# Altium PCB DM1092.PcbDoc (part 3 of 5) (continued)
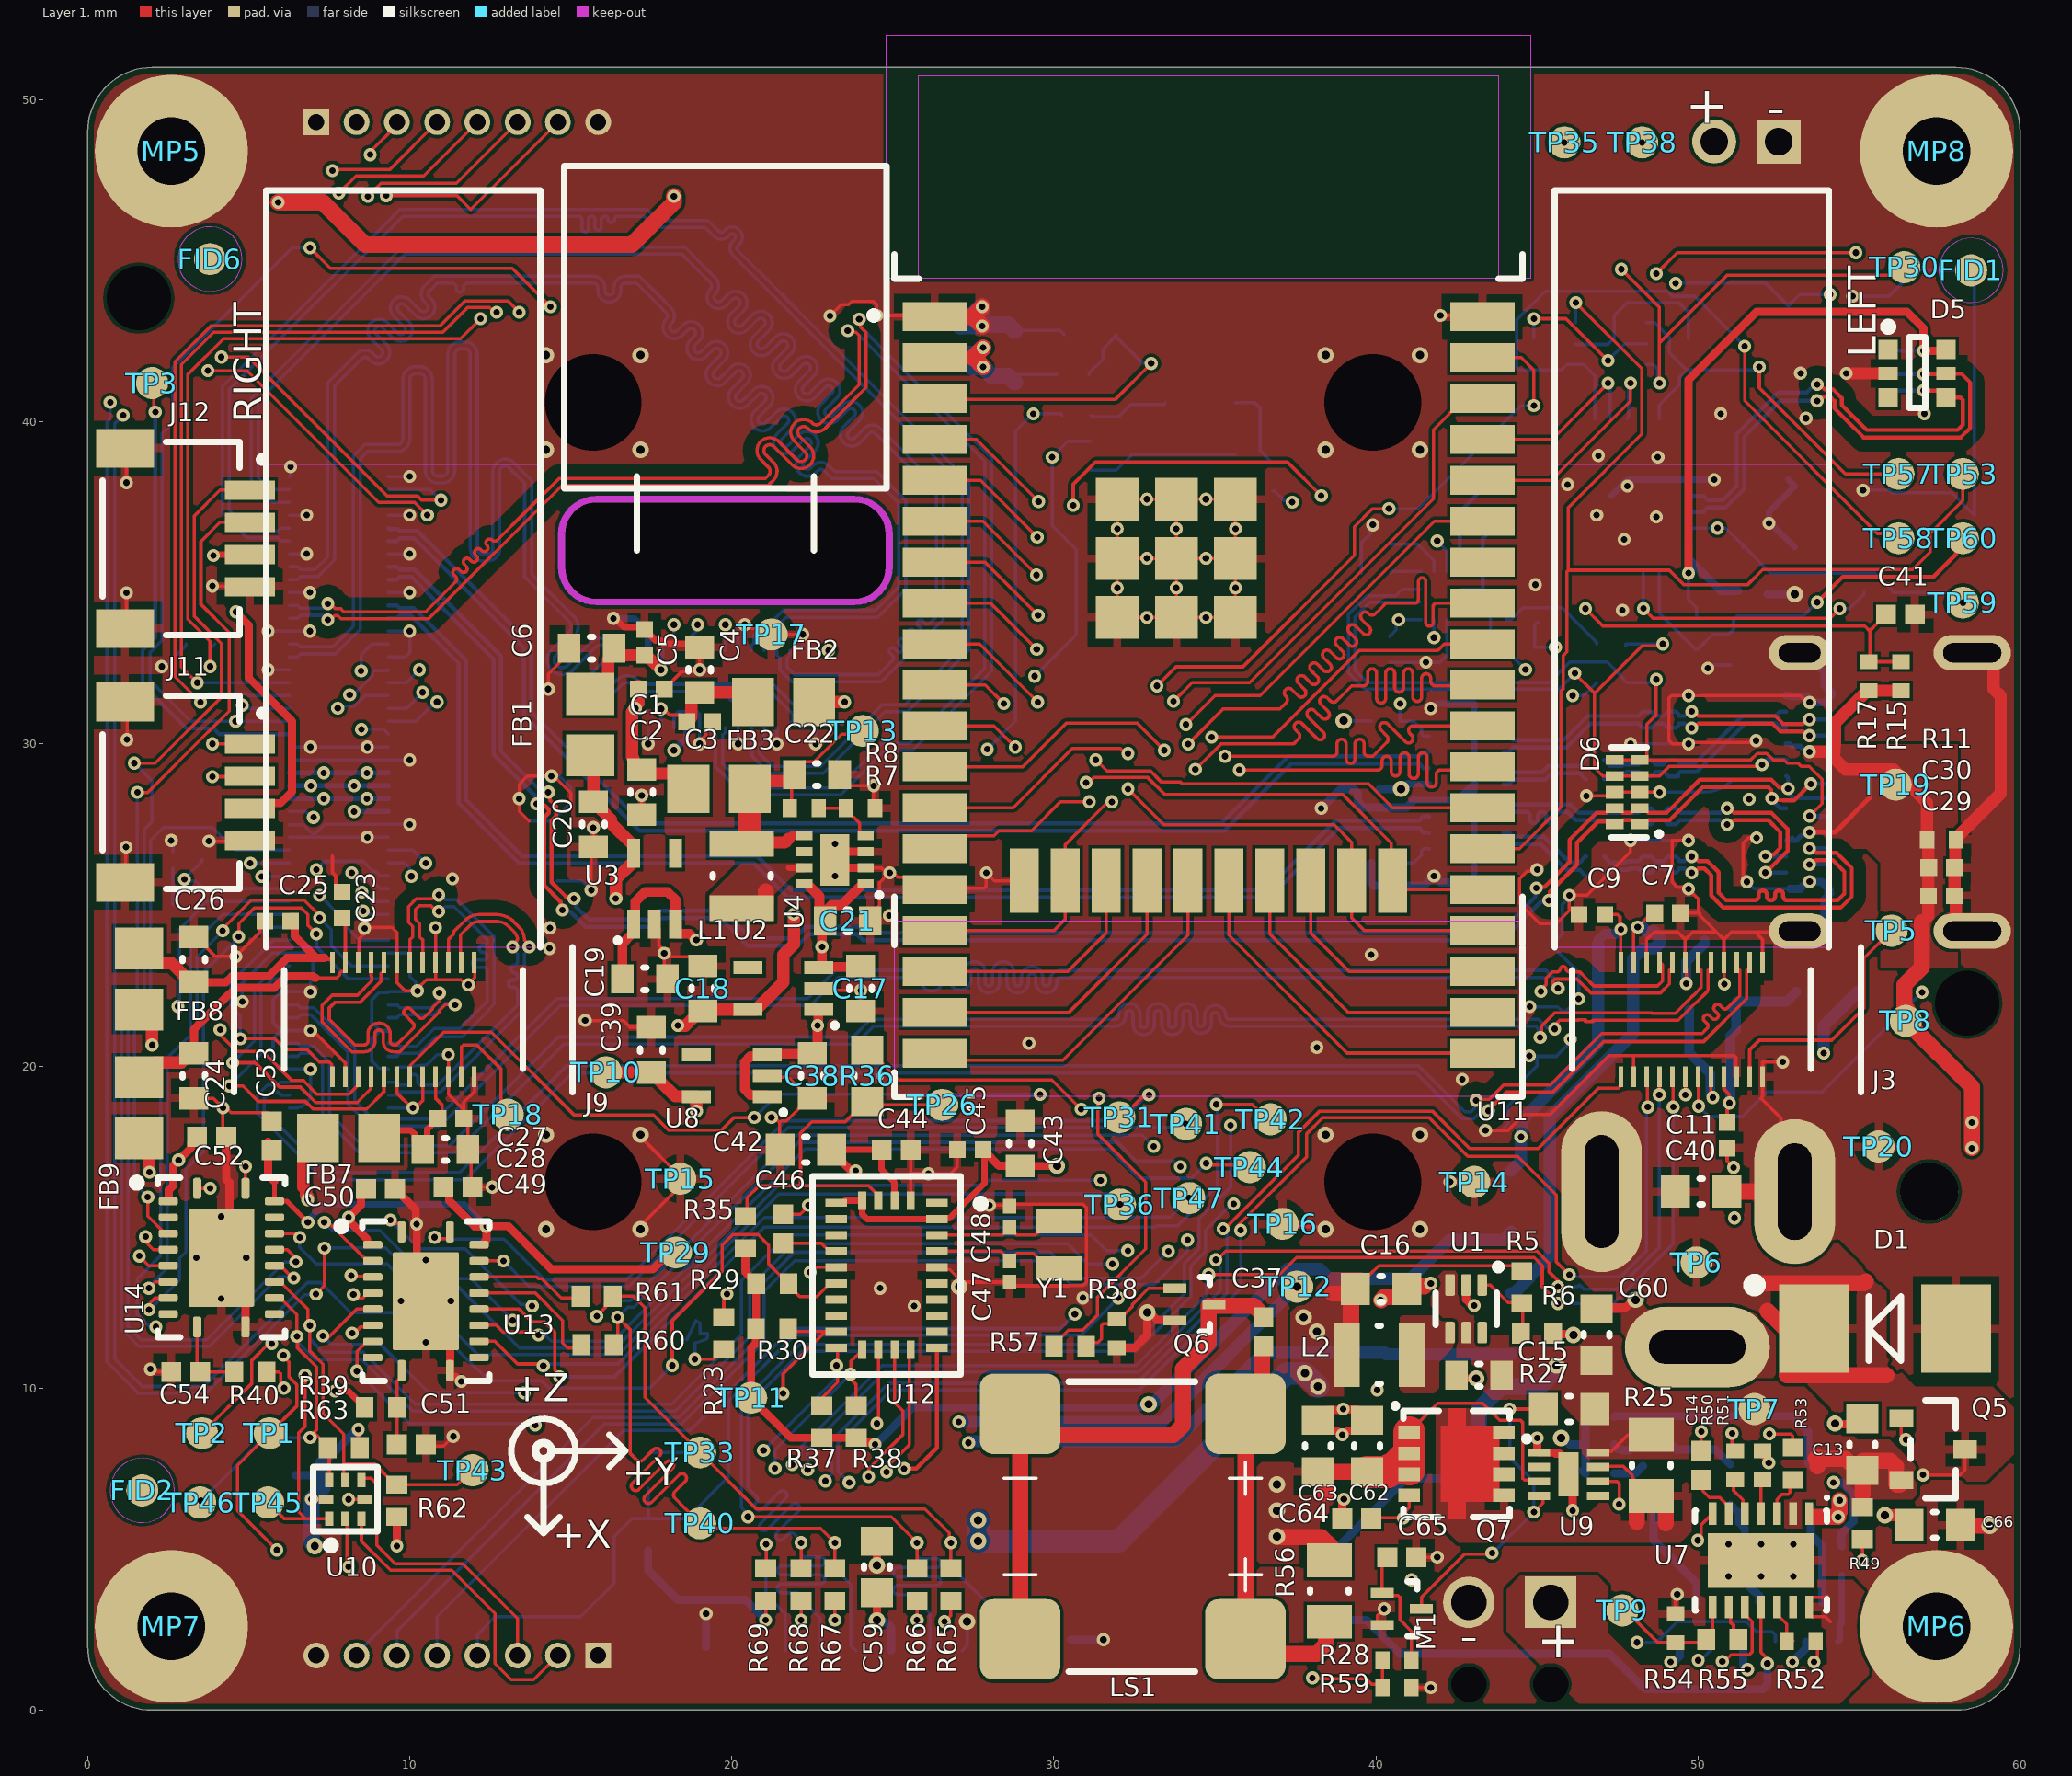
[diagram p0: Layer 1 view]
## Nets (pads, with @x,y where several pads share a name; then routed paths per layer and width w, separated by ;. In a path a pad name is that pad's centre, name@x,y a point inside that pad or via, vN(x,y) a via of type N, cw(c..) or ccw(c..) an arc to the next point about the centre after c; other vN are vias at no path point) (continued)
  Layer 1 w0.102: J11.S2@1.163,25.7 1.188,25.726 v1(1.188,26.8) ; J11.S1@1.163,31.3 1.221,31.241 v1(1.221,30.132) ; J12.S2@1.163,33.58 1.204,33.621 v1(1.204,34.694) ; J12.S1@1.163,39.18 1.204,39.139 v1(1.204,38.112) ; v1(1.95,10.587) 1.968,10.605 2.052,10.605 2.15,10.508 2.592,10.508 C54.1@2.6,10.5 ; C24.1@3.3,19 3.9,19 v1(4.2,18.7) ; C26.1@3.3,24 3.4,24 3.686,23.714 3.686,23.674 3.961,23.4 v1(4.6,23.4) 5.332,24.132 5.332,24.332 C25.1@5.5,24.5 ; v1(3.764,26.979) 4.841,26.979 4.929,26.891 J11.4@5.037,27 ; v1(3.871,34.9) 5.017,34.9 J12.4@5.037,34.88 ; C52.1@4.3,17.8 4.2,17.9 v1(4.2,18.7) ; C53.1@5.6,18.55 4.453,18.55 4.303,18.7 v1(4.2,18.7) ; v1(6.92,21.1) 6.989,21.1 8,20.089 J9.23@8,19.748 ; v1(8.1,6.545) U10.4@8.6,6.546 ; J9.3@8.382,23.348 8.424,23.39 8.424,23.78 8.424,23.949 8.536,24.061 8.536,24.215 v1(8.595,24.274) ; v1@8.595,24.298 8.596,24.3 v1@8.776,24.3 ; 8.846,24.305 9.447,24.305 9.6,24.152 J9.6@9.6,23.213 9.6,22.59 9.858,22.332 v1(10.236,22.332) 10.236,22.399 10.518,22.681 11.589,22.681 11.726,22.544 11.811,22.544 12.014,22.747 12.014,23.298 J9.12@12,23.312 ; J9.19@9.6,19.663 9.6,19.16 10.06,18.7 v1(10.1,18.7) 10.174,18.7 10.4,18.926 J9.17@10.4,19.663 J9.17@10.4,19.762 ; C51.1@10.5,8.25 10.553,8.197 11.047,8.197 v1(11.35,8.5) ; 10.8,22.691 v1(10.8,24.3) ; J9.9@10.8,23.089 J9.9@10.8,23.213 ; J9.15@11.2,19.663 11.2,19.121 11.678,18.644 ; J9.15@11.201,19.663 v1(11.201,20.351) ; C28.1@11.8,17.405 11.8,18.248 C27.1@11.678,18.37 11.678,18.644 ; C28.1@11.8,17.8 11.9,17.7 11.9,16.35 C49.1@11.95,16.3 ; C49.1@11.949,16.236 v1(12.558,16.236) v1@12.664,16.236 ; J9.13@12,19.663 12,19.201 11.678,18.878 11.678,18.644 ; 13.7,27.6 13.4,27.9 v1(13.4,28.3) 13.4,28.749 13.651,29 v1(14.4,29) 14.476,29 15,28.476 15,28.184 ; v1(14.3,31.7) 14.3,32.171 14.999,32.87 C6.1@14.999,32.97 ; v1(15.444,21.411) 16.637,21.411 16.849,21.2 C39.1@17.5,21.2 ; v1(15.634,25.462) 15.634,26.734 C20.1@15.7,26.8 v1(15.7,27.4) v1@15.7,27.5 ; v3(17.167,14.933) 17.167,15.043 18.4,16.275 TP15.1@18.4,16.5 18.4,16.567 17.167,17.8 v3(17.167,17.867) ; C2.1@17.2,27.8 v1(17.2,28.4) v1@17.2,28.5 ; U3.2@17.6,24.4 17.736,24.263 17.736,23.739 17.9,23.576 v1(17.9,23.5) ; C1.1@17.9,31.7 18.45,32.25 18.95,32.25 v1(19,32.3) C4.1@19,33 ; C19.1@18,22.7 17.9,22.8 v1(17.9,23.5) ; v1(19,30) 19,30.082 19.192,30.275 19.192,30.475 C3.1@19.401,30.684 ; C18.1@19.1,23.1 18.813,23.386 18.089,23.386 17.976,23.5 v1(17.9,23.5) ; R23.1@19.532,12.418 R23.1@19.75,12.2 19.75,12.734 19.851,12.835 v1(19.851,12.918) ; v1(20.4,33.7) 20.482,33.7 20.615,33.568 21.06,33.568 TP17.1@21.232,33.396 21.234,33.398 22.198,33.398 v1(22.2,33.4) ; U8.2@21.1,19.7 21.154,19.646 21.754,19.646 22.4,19 21.696,18.296 21.541,18.296 21.488,18.243 ; v1(21.229,18.4) 21.33,18.4 21.488,18.243 ; C42.1@21.5,17.4 21.488,17.412 21.488,18.243 ; C46.2@21.6,15.4 22.125,15.4 22.377,15.652 v1(22.377,15.675) ; v1(22.431,13.599) 22.492,13.599 22.643,13.75 U12.10@23.237,13.75 ; U2.2@22.7,22.4 22.754,22.346 v1@24,22.346 ; v1(23.049,43.288) 23.394,43.634 23.623,43.634 23.727,43.739 24.401,43.739 24.497,43.643 v1(24.497,43.299) 26.261,43.299 U11.1@26.3,43.26 ; C22.1@23.347,29.046 23.347,28.987 23.634,28.7 v1(24.4,28.7) 24.4,28.05 R8.1@24.45,28 ; U4.9@23.45,26.15 23.2,26.4 U4.9@23.45,26.65 ; C17.1@24,21.7 v1@24,22.346 ; v1@24,22.4 v1@24,22.346 ; v1(24.003,22.346) v1@24,22.346 ; U4.2@24.15,26.15 24.647,26.15 24.797,26 v1(24.9,26) ; C21.1@24.3,24.7 24.587,24.986 24.587,25.687 v1(24.9,26) ; U12.2@25.55,15.813 25.55,16.667 ; C44.1@25.55,17.4 25.55,16.667 ; v1@26.1,16.65 26.787,16.65 27,16.863 C45.1@27,17.4 ; v1(26.1,16.654) 26.096,16.654 26.083,16.667 25.55,16.667 ; U12.25@26.363,13.75 26.431,13.681 26.769,13.681 v2@27.16,13.29 ; v2(27.056,13.15) 27.16,13.254 v2@27.16,13.29 ; v1(27.994,15.678) 28.633,15.678 28.668,15.713 30.9,15.713 31.001,15.612 31.001,13.278 30.912,13.189 30.489,13.189 30.476,13.176 28.738,13.176 C47.1@28.625,13.29 v2@27.16,13.29 ; U11.15@29.085,25.75 28.15,25.75 v1(27.9,26) 27.9,25.59 27.826,25.516 26.336,25.516 U11.15@26.3,25.48 25.913,25.867 25.137,25.867 25.003,26 v1(24.9,26) ; TP16.1@37.1,15.1 37.189,15.011 38.355,15.011 v3(38.433,14.933) ; M1.2@40.19,2.65 40.149,2.65 40.05,2.749 40.05,2.94 v1(40.256,3.146) v1@40.3,3.146 ; R59.1@41.1,0.7 v1(41.7,0.7) ; C65.1@41.3,4.7 C65.1@41.25,4.75 v1(41.9,4.75) ; 41.5,13.15 41.603,13.253 v1(41.7,13.253) ; v1(42,43.3) 43.26,43.3 U11.38@43.3,43.26 ; v1@42.989,12.561 v1(43.047,12.561) ; v1(43.4,18) 44.1,18 44.6,18.5 45.407,18.5 47.233,20.326 48,20.326 ; U9.1@45,8.05 U9.1@45.05,8 ; v1(45,26.1) 44.942,26.042 44.68,26.042 44.451,25.813 44.451,25.049 45.085,24.415 45.593,24.415 46,24.822 v1(46,25.3) 46.555,25.3 47.9,26.644 v1(47.9,27) ; v1(46.528,28.385) 47.295,28.385 D6.8@47.41,28.5 D6.3@48.19,28.5 v1(48.8,28.5) ; J3.23@48,19.663 48,20.326 ; J3.3@48.412,23.501 48.4,23.513 48.4,23.925 48.639,24.163 49.362,24.163 49.6,23.925 ; R54.1@49.3,3 49.3,3.5 49.35,3.55 v1(49.35,3.6) ; C7.1@49.45,24.75 50.05,24.75 ; J3.6@49.6,23.213 49.6,23.925 ; v1(49.606,19.106) J3.19@49.606,19.756 ; v1(49.632,22.56) J3.6@49.632,23.019 ; v1(49.7,27) 49.2,27 49.2,25.7 49.347,25.553 49.647,25.553 v1(49.7,25.5) 49.7,25.497 50.003,25.195 50.003,24.797 50.05,24.75 ; v1(50.1,8.65) 50.1,8.125 C14.1@50.102,8.123 ; J3.17@50.394,19.762 50.394,19.168 50.458,19.104 v1(50.458,19.021) ; J3.9@50.8,23.213 50.8,23.925 ; v1(50.812,22.538) J3.9@50.812,23.213 ; C11.1@50.9,17.45 50.9,17.05 v1(51.1,16.85) ; R50.1@51.052,8.193 v1(51.052,8.593) ; J3.15@51.232,19.843 51.181,19.894 51.181,20.266 51.121,20.326 48,20.326 ; v1(51.514,25.718) 51.514,25.713 51.46,25.658 51.4,25.718 51.4,26.92 51.562,27.082 v1(51.816,27.082) ; v1(51.8,30.1) 51.869,30.1 51.808,30.04 49.74,30.04 v1(49.7,30) 49.2,30 49.1,30.1 49.1,31.426 49.174,31.5 v1(49.7,31.5) 53.171,31.5 53.382,31.289 v1(53.463,31.289) ; J3.12@52,23.05 52,23.925 51.761,24.163 ; v1(52.214,8.578) 52.876,8.578 52.936,8.519 52.936,8.164 R53.1@52.95,8.15 ; v1(52.625,20.125) 52,20.125 52,19.05 51.95,19 52.571,18.379 52.571,16.554 J7.3@53.025,16.1 ; J10.SH4@53.151,24.186 53.128,24.163 51.761,24.163 ; v1(53.6,1.5) 53.7,1.6 R52.1@53.7,2.15 ; U11.39@31.965,35.76 U11.39@32.882,35.76 U11.39@33.8,35.76 ; U11.39@31.965,35.76 U11.39@31.965,34.843 U11.39@31.965,33.925 U11.39@32.882,33.925 U11.39@33.8,33.925 ; U11.39@31.965,35.76 U11.39@31.965,36.678 U11.39@31.965,37.595 U11.39@32.882,37.595 U11.39@33.8,37.595 ; U11.39@33.8,33.925 U11.39@33.8,34.843 U11.39@33.8,35.76 ; U11.39@33.8,33.925 U11.39@34.717,33.925 U11.39@35.635,33.925 U11.39@35.635,34.843 U11.39@35.635,35.76 ; U11.39@33.8,35.76 U11.39@34.717,35.76 U11.39@35.635,35.76 ; U11.39@33.8,35.76 U11.39@33.8,36.678 U11.39@33.8,37.595 ; U11.39@33.8,37.595 U11.39@34.717,37.595 U11.39@35.635,37.595 U11.39@35.635,36.678 U11.39@35.635,35.76 ; 49.6,23.925 49.839,24.163 50.561,24.163 ; 50.05,24.75 50.05,24.675 50.561,24.163 ; 50.561,24.163 50.8,23.925 ; 50.8,23.925 51.039,24.163 51.761,24.163
  Layer 1 w0.127: 7.6,26.5 7.6,26 7.703,25.897 7.703,25.596 C23.1@7.9,25.4 ; J7.2@50,11.275 J7.2@51.194,11.275
  Layer 1 w0.203: v1(16.323,33.896) 16.378,33.896 16.652,33.622 17.218,33.622 17.628,33.212 17.788,33.212 17.9,33.1 18.9,33.1 C4.1@19,33
  Layer 1 w0.254: C52.1@4.3,17.8 4.3,16.487 4.4,16.387 4.4,14.3 U14.21@4.15,14.05 4.9,13.3 U14.11@4.9,11.9 ; C50.1@9.543,16.185 10.19,15.538 10.19,15.126 10.219,15.098 10.219,12.981 U13.21@10.5,12.7 ; U13.21@10.45,12.65 11.25,11.85 U13.11@11.25,10.55 11.25,10.354 11.252,10.352 11.414,10.352 11.558,10.208 v1(11.6,10.208) ; U4.9@23.45,26.15 U4.2@24.15,26.15 ; U4.9@23.45,26.65 U4.3@24.15,26.65 ; v2(24.5,4.5) C59.1@24.5,5.25 ; R58.1@31.95,11.25 32.5,11.25 32.9,11.65 v2(32.9,12.35) 32.969,12.35 33.201,12.118 33.727,12.118 Q6.2@33.75,12.095 ; C64.1@38.95,5.95 38.95,6.5 v1(39,6.55) ; v1(38.98,9.354) 38.939,9.354 38.908,9.323 38.523,9.323 C63.1@38.2,9 38.523,8.677 38.782,8.677 38.909,8.55 v1(38.95,8.55) 38.991,8.55 39.118,8.677 39.402,8.677 C62.1@39.725,9 ; v1@39.045,9.333 C62.1@39.43,9.333 ; C15.1@42.5,10.3 C15.1@42.5,10.4 42.55,10.35 42.55,10.317 42.566,10.3 v2(43.11,10.3) ; U1.2@42.797,13.202 42.797,12.753 v1@42.989,12.561 ; U9.1@45,8.05 v1(45,8.45) ; U9.1@45.05,8 45.55,8 45.581,7.969 45.696,7.969 45.975,7.69 U9.9@45.975,7.325 46.1,7.2 v1(46.1,6.2) ; R6.1@45.5,11.7 45.525,11.675 46.102,11.675 v2(46.127,11.65) ; C60.1@46.85,12.45 46.8,12.5 47.754,12.5 47.993,12.739 v2(48.061,12.739) v2@48,12.8 ; v2(54.25,8.9) 54.275,8.875 C13.1@55.1,8.875
  Layer 1 w0.381: v1(54.6,41.5) D5.2@55.9,41.5 ; J10.SH3@58.511,24.186 58.334,24.186 58.001,24.518 58.001,25.232 C29.1@57.951,25.282 57.959,25.289 C30.1@57.959,26.163 57.984,26.188 57.984,26.995 58.043,27.054 58.043,27.111 59.394,28.462 59.394,31.489 59.178,31.705 59.178,32.494 58.846,32.826 J10.SH2@58.511,32.826
  Layer 1 w0.5: v1@40.152,12.734 40.239,12.82 C16.2@40.752,12.82 ; C16.2@40.952,13.07 41.032,13.15 41.5,13.15 ; C66.1@57.975,5.75 57.998,5.727 v2(59.05,5.727)
  Layer 1 w0.508: U11.1@26.3,43.26 27.463,43.26 27.473,43.27 v1(27.773,43.57) ; 27.483,43.26 v1(27.773,42.97) ; C40.1@50.725,16.1 J7.3@53.025,16.1
  Layer 3 w0.102: v1(13.4,28.3) 13.4,27.841 13.695,27.546 14.51,27.546 14.852,27.888 14.852,28.182 15,28.33 15,28.476 14.55,28.926 14.476,29 v1(14.4,29) 13.96,29 v1@13.4,28.44
  Layer 6 w0.102: v1(2.3,32.4) 2.4,32.4 3.05,33.05 R1.2@3.05,33.1 ; v1(2.594,27) 2.65,26.944 R9.2@2.65,26.647 ; R2.2@2.65,25 2.646,25.004 2.646,26.143 R9.2@2.65,26.147 ; v1(4.6,23.4) 5.5,24.3 J1.71@6.26,24.3 ; v1(4.8,22) 4.8,22.57 5.73,23.5 6.8,23.5 7,23.3 7,22.878 6.92,22.798 v1(6.92,22.3) 6,22.3 5.759,22.059 5.759,21.341 J1.87@6,21.1 ; v1(5.6,32.3) J1.31@6.26,32.3 ; v1(5.6,33.5) v1(6.9,33.5) ; J1.99@6.26,18.7 6.52,18.7 6.559,18.739 6.649,18.739 6.92,19.01 v1(6.92,19.9) 6,19.9 5.759,20.141 5.759,20.859 J1.87@6,21.1 ; J1.57@6.26,27.1 7,27.1 v1(8.68,27.1) J1.58@9.34,27.1 ; J1.55@6.26,27.5 6.275,27.485 6.697,27.485 6.964,27.219 7.036,27.219 7.038,27.216 7.083,27.216 7.367,27.5 v1(10,27.5) ; J1.45@6.26,29.5 v1(10,29.5) ; J1.43@6.26,29.9 v1(6.92,29.9) v1(8.68,29.9) J1.44@9.34,29.9 ; J1.19@6.26,34.7 v1(6.9,34.7) ; J1.13@6.26,35.9 v1(6.8,35.9) ; J1.7@6.26,37.1 v1(6.8,37.1) ; J1.1@6.26,38.3 6.274,38.3 6.3,38.327 v1(6.3,38.6) ; v1(6.92,21.1) J1.87@6,21.1 ; v1(8.595,24.274) 8.608,24.287 9.327,24.287 J1.72@9.34,24.3 ; J1.100@9.34,18.7 v1(10.1,18.7) ; J1.94@9.34,19.9 9.313,19.927 9.053,19.927 8.933,20.047 8.922,20.047 8.827,20.142 8.827,20.858 9.042,21.074 9.313,21.074 J1.88@9.34,21.1 9.08,21.1 8.933,21.247 8.922,21.247 8.827,21.342 8.827,22.058 9.042,22.274 9.313,22.274 J1.82@9.34,22.3 10.204,22.3 v1(10.236,22.332) 10.193,22.375 10.193,22.589 10.008,22.775 10.008,23.44 9.948,23.5 J1.76@9.34,23.5 ; J1.30@9.34,32.7 9.88,32.7 10,32.82 v1(10,33.5) J1.26@9.34,33.5 ; J1.20@9.34,34.7 v1(10,34.7) ; J1.14@9.34,35.9 v1(10,35.9) ; J1.8@9.34,37.1 v1(10,37.1) ; J1.2@9.34,38.3 v1(10,38.3) ; J1.94@9.555,19.872 9.559,19.872 9.646,19.959 9.934,19.959 cw(c11.041,13.796) 10.501,20.035 ccw(c10.492,20.136) 10.564,20.064 10.851,20.351 v1(11.201,20.351) ; v1(13.4,28.3) 13.4,27.9 13.7,27.6 14.416,27.6 15,28.184 15,28.642 14.671,28.971 14.429,28.971 v1(14.4,29) ; 14.582,25.748 15.347,25.748 v1(15.634,25.462) ; v1(17.4,30) J2.14@17.4,30.5 ; J2.12@18.2,30.5 18.208,30.508 18.208,30.885 18.327,31.004 18.926,31.004 19,30.93 v1(19,30) ; v1(20.2,30) J2.7@20.2,30.5 ; J2.24@20.2,32.95 20.2,33.486 20.4,33.686 v1(20.4,33.7) ; v1(21.4,30) J2.4@21.4,30.5 ; J2.29@22.2,32.9 v1(22.2,33.4) ; v1(22.6,30) J2.1@22.6,30.5 ; J14.6@27.15,1.85 27.304,2.004 v2(27.304,2.75) ; C56.1@28.783,42.821 28.795,42.834 30.184,42.834 C57.1@30.315,42.703 ; R14.2@39.55,35.3 R16.2@39.55,36.2 39.55,36.25 39.827,36.527 39.827,36.727 v1(39.9,36.8) ; C36.1@40.424,32.533 v1(41.552,32.533) 41.982,32.533 42.2,32.751 U6.10@42.2,33.85 ; v1(43.4,18) 43.9,18 44.1,18.2 44.1,18.75 44.55,19.2 44.55,19.55 44.999,19.999 44.999,20.299 45,20.3 45.6,20.3 v1@45.999,20.699 ; v1(44.779,21.839) 45.639,21.839 45.778,21.7 45.902,21.7 46.1,21.898 ; v1(46,25.3) 46,25.224 45.787,25.011 45.787,24.087 C10.1@45.5,23.8 45.5,23.7 46.3,22.9 46.3,22.224 v1@46.216,22.141 ; v1@46.1,20.827 46.1,21.898 ; v1(46.29,22.089) 46.1,21.898 ; v1(47.9,27) v1(49.7,27) ; v1(47.9,30) v1(49.7,30) ; v1(48.8,28.5) 50.172,28.5 ccw(c50.172,29.714) 51.031,28.856 ; v1(50.3,32.35) 50.382,32.35 50.482,32.45 R44.1@51,32.45 ; v1(51.514,25.718) 51.733,25.5 52.735,25.5 J10.A12@52.741,25.506 ; v1(54.8,43.9) 55.925,43.9 J4.6@56.025,44 56.725,44.7 J4.8@58.575,44.7 J4.10@58.575,42.1 J4.11@58.575,39.7 J4.9@58.575,37.1 57.875,37.8 J4.7@56.025,37.8 55.948,37.877 v1(55.118,37.877)
  Layer 6 w0.2: 41.169,28.25 U5.21@42.55,28.25 ; v1@41.741,31.1 41.891,31.25 43.05,31.25 43.05,28.75 43.05,25.774
  Layer 6 w0.203: v1(16.323,33.896) 16.979,33.896 17.175,33.7 17.4,33.475 J2.17@17.4,32.9 ; U15.29@47.3,37.7 47.8,38.2 U15.3@49.7,38.2 v1(50.5,38.2) ; B1.1@52.8,38.2 53,38 52.2,37.2 v1(52.2,36.85) 52.25,36.85 C58.1@53,36.1
  Layer 6 w0.25: J10.A1@52.741,31.506 52.747,31.5 52.85,31.5 52.875,31.475 53.348,31.475 53.498,31.324 v1(53.463,31.289) ; J10.A12@52.85,25.5 53.17,25.5 53.391,25.72 53.463,25.72 v1(53.463,25.726) ; J10.SH1@53.151,32.826 53.321,32.826 53.925,32.222 53.925,32.121 53.925,31.825 J10.B12@54.092,31.658 ; v1@53.572,25.72 53.83,25.72 J10.B1@54.092,25.458 ; v1@53.572,31.283 53.925,31.283 54.15,31.508 54.15,31.6 54.047,31.6 J10.B12@54.041,31.606 ; 53.925,24.675 53.925,25.175 54.099,25.349 J10.B1@54.041,25.406
  Layer 6 w0.254: J14.14@19.19,1.975 19.2,1.985 v1(19.2,3) ; J14.13@30.52,2.19 v1(31.535,2.19) ; v1(38.3,28) 38.9,28.6 C35.1@39.3,28.6 39.433,28.467 39.433,28.207 39.62,28.02 40.939,28.02 41.169,28.25 ; R12.2@39.85,26.3 39.85,25.674 39.924,25.6 41.5,25.6 v1(41.8,25.9) 42,25.7 42.976,25.7 43.05,25.774 ; v1(41.7,31.1) v1@41.741,31.1 ; U5.21@42.55,28.25 U5.21@42.8,28.5 U5.21@43.05,28.75 ; v1@49.25,1.5 49.427,1.677 49.427,2.107 Q3.2@49.45,2.13 ; Q2.2@51.4,2.13 51.4,1.4 v1(51.535,1.265) ; C68.1@52.15,34.65 v2(53,34.65) ; v1(52.925,1.5) 53.35,1.925 Q1.2@53.35,2.13
  Layer 6 w0.305: v1(49.632,22.56) 49.632,23.232 50.2,23.8 C8.1@50.2,23.9 ; C12.1@49.719,21.748 49.719,20.417 49.8,20.336 50.381,19.756 50.381,19.099 v1(50.458,19.021)
  Layer 6 w0.508: C55.1@27.1,42.95 C55.1@27.12,42.97 ; v1@27.747,43.543 27.773,43.517 v1(27.773,42.97) ; v1(27.773,43.57) 27.72,43.57 C55.1@27.12,42.97 ; C56.1@28.783,42.821 28.589,43.015 27.818,43.015 v1(27.773,42.97) ; C55.1@27.12,42.97 v1(27.773,42.97)
  other v1: 49.15,1.5 41.1,4.05 40.034,9.942 25.656,12.55 40.145,12.734 30.9,12.8 24.6,13.1 10.212,15.094 51.128,15.283 42.3,16.4 42.678,19.59 44.758,20.317 38.161,20.576 29.224,20.708 46.035,20.827 11.818,22.519 39.856,23.453 14.339,23.651 14.351,24.288 24.892,24.669 11.324,25.807 51.586,28.281 47.65,34.15 44.95,34.941 47.704,36.345 48.7,37.05 46.85,37.1 47.8,38 45.95,38.05 48.75,38.9 46.9,38.95 53.347,40.107 50.7,40.25 57.022,40.253 53.18,41.506
  other v3: 14.233,14.933 41.367,14.933 14.233,17.867 38.433,17.867 41.367,17.867 14.233,39.133 17.167,39.133 38.433,39.133 41.367,39.133 14.233,42.067 17.167,42.067 38.433,42.067 41.367,42.067
  other v4: 50.95,4.15 51.95,4.15 52.95,4.15 50.95,5.15 51.95,5.15 52.95,5.15
  other v5: 23.2,25.9 23.2,26.9
GPIO8/SPI0_CS_1: J1.60 U12.18 U13.8 | length 41
  Layer 1 w0.102: v1(8.359,10.529) 8.366,10.537 8.366,11.141 8.675,11.45 U13.8@8.85,11.45 ; v1(24.25,7.25) 24.25,7.499 25.304,8.553 25.304,9.297 25.05,9.551 U12.18@25.05,11.187
  Layer 3 w0.102: v1(8.359,10.529) 8.363,10.533 8.366,10.533 9.371,11.538 9.371,14.688 9.754,15.071 9.754,18.545 9.646,18.653 9.646,23.047 10.446,23.847 10.446,26.246 v1(10.5,26.3) ; v1(13.9,8.85) 14.25,8.5 21.826,8.5 22.857,7.469 23.966,7.469 24.185,7.25 v1(24.25,7.25)
  Layer 6 w0.102: v1(8.359,10.529) 8.37,10.529 10,8.9 13.45,8.9 13.5,8.85 v1(13.9,8.85) ; J1.60@9.34,26.7 10.1,26.7 v1(10.5,26.3)
HPWR: R51.2 U7.4 | length 1.1
  Layer 1 w0.102: R51.2@51.8,7.15 51.95,7 U7.4@51.95,6.1
I2C1_SCL: J1.35 J2.20 | length 40.9
  Layer 1 w0.102: v1(3.5,31.299) 2.711,32.087 2.711,41.864 3.83,42.982 10.942,42.982 11.715,43.756 13.044,43.756 v1(13.4,43.4)
  Layer 3 w0.102: v1(13.4,43.4) 13.4,35.59 15.846,33.144 18.381,33.144 v1(18.937,33.7)
  Layer 6 w0.102: v1(3.5,31.299) 3.755,31.554 4.947,31.554 5.001,31.5 J1.35@6.26,31.5 ; J2.20@18.6,32.9 18.636,32.936 18.636,33.236 18.937,33.537 v1(18.937,33.7)
I2C1_SDA: J1.33 J2.19 | length 39.2
  Layer 1 w0.102: v1(3.4,31.899) 2.913,32.387 2.913,41.78 3.913,42.781 11.025,42.781 11.798,43.554 12.475,43.554 12.615,43.414 v1@12.776,43.414
  Layer 3 w0.102: v1(12.7,43.4) 13.054,43.754 13.547,43.754 13.754,43.547 13.754,35.521 15.929,33.346 17.846,33.346 v1(18.2,33.7)
  Layer 6 w0.102: v1(3.4,31.899) J1.33@6.26,31.9 ; J2.19@18.2,32.9 v1(18.2,33.7)
I2C2_SCL: J1.77 J3.21 J9.21 | length 84.8
  Layer 1 w0.102: v1(4.5,20.1) 5.204,20.1 5.96,19.344 6.602,19.344 7.084,18.863 8.363,18.863 8.776,19.276 8.776,19.639 J9.21@8.8,19.663 ; v1(35.026,13.983) 35.064,13.983 35.333,14.252 44.996,14.252 45.363,13.885 45.363,13.621 45.65,13.334 v1(45.65,13.15) ; v1(48.793,19.106) J3.21@48.793,19.755
  Layer 3 w0.102: v1(4.5,20.1) 3.938,20.1 2.788,21.25 1.609,21.25 0.844,20.486 0.844,9.22 3.115,6.95 21.837,6.95 v1(22.356,7.469)
  Layer 6 w0.102: v1(4.5,20.1) 5.182,20.782 5.182,22.41 5.674,22.902 5.802,22.902 6,23.1 J1.77@6.26,23.1 ; v1@22.319,7.506 22.356,7.543 22.356,8.106 24.748,10.498 32.634,10.498 35.16,13.024 35.16,13.766 35.026,13.899 v1(35.026,13.983) ; v1(45.65,13.15) 46.263,13.15 46.316,13.203 46.444,13.074 47.491,13.074 48.793,14.377 v1(48.793,19.106)
I2C2_SDA: J1.79 J3.20 J9.20 | length 85.1
  Layer 1 w0.102: v1(4.397,19.379) 4.821,19.379 5.298,18.902 6.759,18.902 7,18.661 8.661,18.661 9.2,19.2 J9.20@9.2,19.663 ; v1(34.806,13.527) 37.007,13.527 37.53,14.051 44.912,14.051 45.162,13.802 45.162,13.138 45.65,12.649 v1(45.65,12.625) ; v1(49.225,18.725) J3.20@49.225,19.749
  Layer 3 w0.102: v1(4.397,19.379) 4.374,19.379 2.704,21.048 1.692,21.048 1.05,20.406 1.05,14.55 1.046,14.546 1.046,9.304 3.198,7.152 21.49,7.152 21.876,7.538 v1(21.874,7.624) v1(21.874,7.624)
  Layer 6 w0.102: v1(4.397,19.379) 5.384,20.365 5.384,22.326 5.758,22.7 J1.79@6.26,22.7 ; v1(21.874,7.624) 22.154,7.904 22.154,8.189 24.665,10.7 32.55,10.7 34.746,12.896 34.746,13.467 v1(34.806,13.527) ; v1(45.65,12.625) 47.375,12.625 49.225,14.475 v1(49.225,18.725)
I2C3_SCL_1V8: J1.78 U14.7 | length 19.5
  Layer 1 w0.102: v1(1.9,13.1) 2.1,13.3 U14.7@2.5,13.3 ; v1(4.194,24.195) 4.194,24.266 5.078,25.151 6.722,25.151 7.2,24.672 v1(7.2,24.6)
  Layer 6 w0.102: v1(1.9,13.1) 1.9,13.15 2.472,13.722 2.472,19.959 3.394,20.881 3.394,23.396 v1(4.194,24.195) ; v1(7.2,24.6) 7.567,24.233 7.567,23.733 8.2,23.1 J1.78@9.34,23.1
I2C3_SCL_3V3: J11.1 R62.1 TP43.1 U10.6 U11.10 U14.14 | length 83
  Layer 1 w0.102: v1(3.871,30) J11.1@5.037,30 ; U14.14@5.98,13.3 6.392,12.888 6.842,12.438 6.842,12.057 6.9,11.998 6.9,11.15 7.306,10.744 7.306,9.217 7.95,8.572 7.95,7.65 ; U10.6@8,7.146 7.95,7.196 7.95,7.65 ; TP43.1@11.95,7.45 11.927,7.45 11.477,7 R62.1@9.6,7 9.55,7 8.9,7.65 7.95,7.65 ; U11.10@26.3,31.83 27.867,31.83 v1(28.446,31.251)
  Layer 3 w0.102: v1(3.871,30) 4.658,29.214 4.658,26.123 6.033,24.748 6.033,12.567 6.625,11.975 6.866,11.975 v1(6.9,11.94) ; v1(28.446,31.251) 29.269,30.428 29.269,25.474 30.304,24.439 30.304,18.6 30.8,18.104 30.8,15.761 v1(32.294,14.267)
  Layer 6 w0.102: v1(6.9,11.94) 6.9,11.519 7.303,11.117 8.557,11.117 10.174,9.5 18.128,9.5 20.3,11.672 20.3,13.341 21.709,14.75 31.15,14.75 31.633,14.267 v1(32.294,14.267)
I2C3_SDA_1V8: J1.80 U14.8 | length 20.2
  Layer 1 w0.102: v1(1.904,12.432) 1.897,12.439 1.897,12.596 2.104,12.803 2.497,12.803 U14.8@2.5,12.8 ; v1(4.691,24.009) 4.691,24.424 5.178,24.911 6.622,24.911 6.832,24.701 6.832,24.368 v1(7.1,24.1)
  Layer 6 w0.102: v1(1.904,12.432) 1.922,12.432 2.85,13.36 2.85,14.026 3.05,14.226 3.05,16.802 3.596,17.348 3.596,22.915 v1(4.691,24.009) ; v1(7.1,24.1) 7.1,23.7 8.1,22.7 J1.80@9.34,22.7
I2C3_SDA_3V3: J11.2 R63.1 TP46.1 U10.7 U11.11 U14.13 | length 80.1
  Layer 1 w0.102: v1(3.871,28.98) J11.2@5.058,28.98 ; U14.13@5.98,12.8 6.496,12.284 v1(6.496,11.605) ; v1@6.525,11.525 6.515,11.515 6.515,11.25 7.104,10.661 7.104,8.706 7.05,8.652 ; v1(6.905,8.463) 6.905,8.507 7.024,8.626 7.05,8.652 ; U10.7@7.5,7.146 7.5,8.1 R63.1@7.45,8.15 7.45,8.2 7.05,8.6 7.05,8.652 ; U11.11@26.3,30.56 28.14,30.56 v1(28.8,29.9)
  Layer 3 w0.102: v1(3.871,28.98) 4.35,28.502 4.35,25.983 5.752,24.582 5.752,12.298 6.445,11.605 v1(6.496,11.605) ; v1(28.8,29.9) 29.042,29.658 29.042,25.351 29.998,24.394 29.998,18.55 30.348,18.2 30.35,18.2 30.5,18.05 30.5,15.172 v1(31.817,13.855)
  Layer 6 w0.102: v1(3.517,6.504) 5.477,8.463 v1(6.905,8.463) ; v1(6.496,11.605) 6.554,11.547 6.554,11.396 7.067,10.883 8.505,10.883 10.098,9.29 18.24,9.29 20.553,11.603 20.553,13.122 21.91,14.478 30.425,14.478 31.049,13.855 v1(31.817,13.855)
MIPI_RX2_C_N: J1.95 J3.11 | length 53.6
  Layer 1 w0.102: v1@43.491,18.631 44.06,19.2 45.505,19.2 46.832,20.526 47.063,20.757 50.173,20.757 51.508,22.092 51.508,22.701 51.508,22.978 51.567,23.038 51.576,23.038 51.6,23.062 J3.11@51.6,23.213 J3.11@51.6,23.312
  Layer 6 w0.102: J1.95@6.26,19.5 6,19.5 5.908,19.408 5.584,19.408 5.266,19.091 5.266,18.525 7.319,16.472 11.733,16.472 15.047,19.787 41.242,19.787 42.664,18.365 43.042,18.365 43.239,18.561 43.443,18.561 v1(43.491,18.609)
MIPI_RX2_C_P: J1.97 J3.10 | length 53.6
  Layer 1 w0.102: v1@43.131,18.963 43.518,18.963 43.97,19.416 45.416,19.416 45.625,19.625 47.011,21.011 50.122,21.011 50.242,21.132 50.278,21.168 ccw(c50.205,21.24) 50.278,21.313 ; 50.278,21.313 50.19,21.401 cw(c50.263,21.474) 50.19,21.547 50.206,21.563 cw(c50.279,21.49) 50.352,21.563 50.44,21.475 ccw(c50.513,21.547) 50.585,21.475 50.601,21.491 ; 50.601,21.491 ccw(c50.529,21.564) 50.601,21.636 50.514,21.724 cw(c50.587,21.796) 50.514,21.869 50.53,21.885 cw(c50.603,21.813) 50.676,21.885 50.763,21.798 ccw(c50.836,21.871) 50.909,21.798 51.098,21.987 51.134,22.023 51.292,22.181 51.292,22.791 51.292,22.978 51.233,23.038 51.224,23.038 51.2,23.062 J3.10@51.2,23.213 J3.10@51.2,23.312
  Layer 6 w0.102: J1.97@6.26,19.1 6,19.1 5.908,19.192 5.673,19.192 5.482,19.001 5.482,18.615 7.409,16.688 11.552,16.688 14.866,20.002 37.846,20.002 41.331,20.002 42.753,18.58 42.953,18.58 43.054,18.682 43.054,18.886 v1(43.102,18.934)
MIPI_RX2_D0_N: J1.89 J3.8 | length 53.6
  Layer 1 w0.102: v1(45.55,21.15) 45.55,21.232 45.641,21.323 45.641,21.358 45.701,21.418 46.224,21.418 46.275,21.418 46.275,21.431 46.503,21.431 46.503,21.374 46.732,21.374 46.732,21.418 48.565,21.418 48.571,21.424 49.022,21.424 49.384,21.424 49.927,21.967 49.937,21.967 50.271,22.301 50.271,22.31 50.308,22.348 50.308,22.978 50.367,23.038 50.376,23.038 50.4,23.062 J3.8@50.4,23.213 J3.8@50.4,23.312
  Layer 6 w0.102: J1.89@6.26,20.7 6.52,20.7 6.612,20.608 7.018,20.608 7.505,20.121 7.505,18.575 7.505,18.538 8.522,17.521 11.241,17.521 14.62,20.9 23.76,20.9 24.314,21.454 31.75,21.454 31.909,21.454 ccw(c31.909,21.557) 32.012,21.557 32.012,21.618 cw(c32.33,21.618) 32.33,21.937 32.353,21.937 cw(c32.353,21.618) 32.672,21.618 32.672,21.29 ccw(c32.775,21.29) 32.775,21.187 32.798,21.187 ccw(c32.798,21.29) 32.901,21.29 32.901,21.618 cw(c33.219,21.618) 33.219,21.937 33.242,21.937 cw(c33.242,21.618) 33.561,21.618 33.561,21.29 ccw(c33.664,21.29) 33.664,21.187 33.687,21.187 ccw(c33.687,21.29) 33.79,21.29 33.79,21.618 cw(c34.108,21.618) 34.108,21.937 34.131,21.937 cw(c34.131,21.618) 34.45,21.618 34.45,21.332 ccw(c34.553,21.332) 34.553,21.23 34.576,21.23 ccw(c34.576,21.332) 34.679,21.332 34.679,21.557 cw(c34.997,21.557) 34.997,21.876 35.02,21.876 cw(c35.02,21.557) 35.339,21.557 ccw(c35.442,21.557) 35.442,21.454 36.957,21.454 41.933,21.454 45.042,21.454 45.298,21.197 45.503,21.197 v1(45.55,21.15)
MIPI_RX2_D0_P: J1.91 J3.7 | length 53.5
  Layer 1 w0.102: v1(45.095,20.889) 45.145,20.94 45.145,21.245 45.546,21.646 48.565,21.646 48.571,21.64 49.295,21.64 49.838,22.183 49.848,22.183 50.055,22.39 50.055,22.4 50.092,22.437 50.092,22.978 50.033,23.038 50.024,23.038 50,23.062 J3.7@50,23.213 J3.7@50,23.312
  Layer 6 w0.102: J1.91@6.26,20.3 6.52,20.3 6.612,20.392 6.929,20.392 7.289,20.032 7.289,18.664 7.289,18.448 8.432,17.305 11.406,17.305 14.785,20.684 23.849,20.684 24.404,21.238 31.75,21.238 31.909,21.238 ccw(c31.909,21.557) 32.228,21.557 32.228,21.618 cw(c32.33,21.618) 32.33,21.721 32.353,21.721 cw(c32.353,21.618) 32.456,21.618 32.456,21.29 ccw(c32.775,21.29) 32.775,20.971 32.798,20.971 ccw(c32.798,21.29) 33.117,21.29 33.117,21.618 cw(c33.219,21.618) 33.219,21.721 33.242,21.721 cw(c33.242,21.618) 33.345,21.618 33.345,21.29 ccw(c33.664,21.29) 33.664,20.971 33.687,20.971 ccw(c33.687,21.29) 34.006,21.29 34.006,21.618 cw(c34.108,21.618) 34.108,21.721 34.131,21.721 cw(c34.131,21.618) 34.234,21.618 34.234,21.332 ccw(c34.553,21.332) 34.553,21.014 34.576,21.014 ccw(c34.576,21.332) 34.895,21.332 34.895,21.557 cw(c34.997,21.557) 34.997,21.66 35.02,21.66 cw(c35.02,21.557) 35.123,21.557 ccw(c35.442,21.557) 35.442,21.238 36.957,21.238 42.023,21.238 44.952,21.238 45.048,21.142 45.048,20.936 v1(45.095,20.889)